# Altium PCB LimeKEY-RPCM_1v0.PcbDoc (part 7 of 8) (continued)
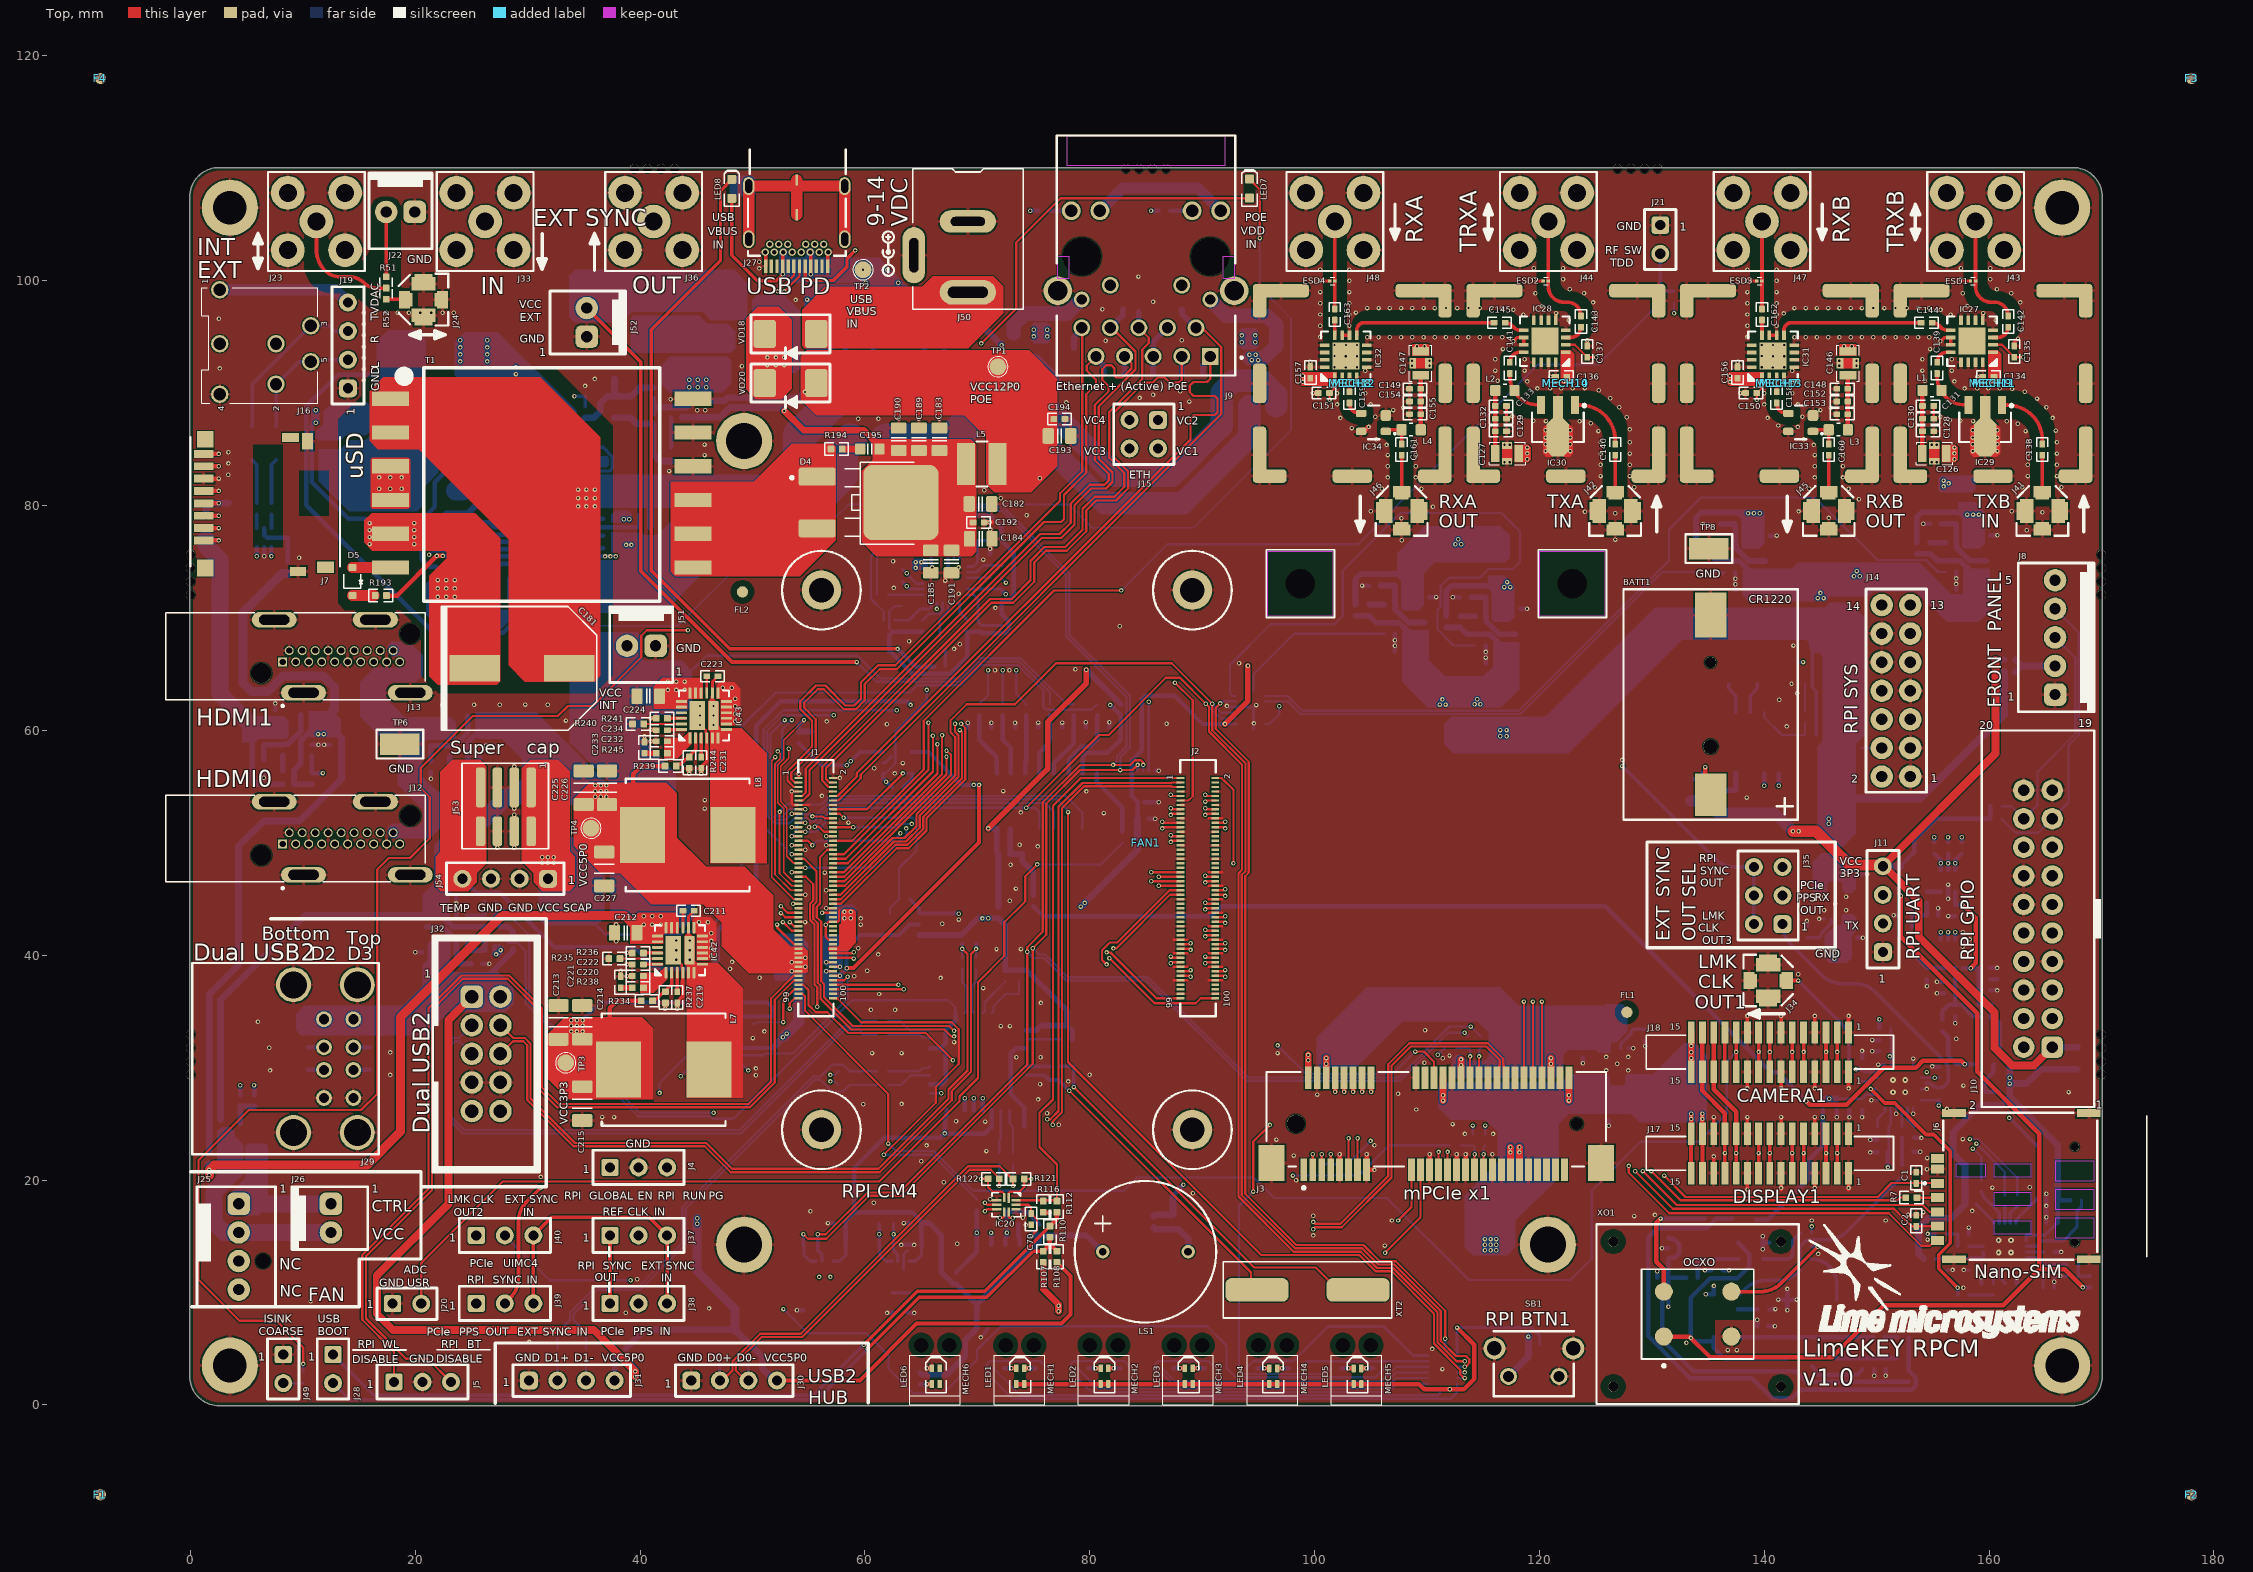
[diagram p0: Top view]
## Nets (pads, with @x,y where several pads share a name; then routed paths per layer and width w, separated by ;. In a path a pad name is that pad's centre, name@x,y a point inside that pad or via, vN(x,y) a via of type N, cw(c..) or ccw(c..) an arc to the next point about the centre after c; other vN are vias at no path point) (continued)
  Bottom w0.2: v1(73.45,65.35) 73.45,63.236 R55.1@74.351,62.335
  Bottom w0.6: R205.1@41.155,88.247 41.155,88.747 ; R206.1@41.155,89.47 41.155,88.747 ; v1(54.663,90.113) 54.15,89.6 47.8,89.6 47.525,89.325 44.73,89.325 44.153,88.747 41.155,88.747
VCC12P0_POE_DIV: C42.1 IC8.3 R55.2 R61.2 | length 5.2
  Bottom w0.4: IC8.3@74.253,56.177 74.253,57.158 74.351,57.256 C42.1@74.351,59.185 R61.2@74.351,60.235 R55.2@74.351,61.335
VCC_BARREL: J50.1 R53.1 VD18.A | length 40.5
  L4 w0.2: J50.1@69.15,98.975 70.85,98.975 73.075,96.75 73.075,77.15 70.95,75.025 v1(70.95,65.35)
  Bottom w0.2: R53.1@70.151,62.335 70.95,63.134 v1(70.95,65.35)
VCC_BARREL_DIV: C40.1 IC8.1 R53.2 R59.2 | length 5.8
  Bottom w0.4: R53.2@70.151,61.335 R59.2@70.151,60.235 C40.1@70.151,59.185 70.201,59.185 70.251,59.135 70.251,59.085 71.713,57.623 IC8.1@71.713,56.177
VCC_EXT: C218.1 J52.2 R56.1 R232.1 R233.2 VD21.K | length 68.8
  Top w0.35: J52.2@35.25,97.571 40.05,92.771 40.05,74.2 48.175,66.075 v1(59.275,66.075)
  Bottom w0.2: v1(59.275,66.075) 61.025,64.325 68.401,64.325 70.201,66.125 73.725,66.125 76.451,63.399 R56.1@76.451,62.335
VCC_EXT_DIV: C43.1 IC8.4 R56.2 R62.2 | length 5.6
  Bottom w0.4: IC8.4@75.523,56.177 75.523,58.023 76.351,58.851 76.351,59.135 76.401,59.185 C43.1@76.451,59.185 R62.2@76.451,60.235 R56.2@76.451,61.335
VCC_INT: C212.2 C216.2 C217.1 C224.2 FR14.2 IC42.16 IC42.17 IC42.18 IC42.19 IC42.20 IC43.16 IC43.17 IC43.18 IC43.19 IC43.20 J51.2 L6.2 R57.1 R67.1 R242.1 R243.1 VD22.K | length 98.9
  Top w0.2: C212.2@40.2,42.35 40.387,42.163 40.85,41.7 IC42.19@41.55,41.7 ; 42.325,63.225 42.513,63.038 42.975,62.575 IC43.19@43.675,62.575
  Top w0.25: C212.2@39.236,41.656 39.236,41.99 39.236,42.086 C212.2@39.6,42.45 ; C224.2@41.361,62.531 41.361,62.961 C224.2@41.725,63.325
  Top w0.8: v1(1.675,20.425) v1(1.675,20.9) 2.1,21.325 15.7,21.325 18.675,24.3 18.675,34.475 27.75,43.55 38.6,43.55 39.612,42.538 39.612,42.09 C212.2@39.712,41.99
  Bottom w0.2: 44.35,65.1 45.9,66.65 59.325,66.65 61.35,64.625 68.276,64.625 70.076,66.425 73.86,66.425 77.95,62.335 R57.1@78.551,62.335
  Bottom w0.8: v1(1.675,20.425) v1(1.675,20.9) R67.1@1.675,21.325
  other v1: 40.329,42.724 41.079,42.724 41.829,42.724 40.329,43.474 41.079,43.474 41.829,43.474 42.454,63.599 43.205,63.599 43.955,63.599 42.455,64.349 43.205,64.349 43.955,64.349 44.375,90.525 45.125,90.525 45.875,90.525 44.375,91.2 45.125,91.2 45.875,91.2
VCC_INT_DIV: C44.1 IC8.5 R57.2 R63.2 | length 5.9
  Bottom w0.4: IC8.5@76.793,56.177 76.793,57.068 78.551,58.826 R57.2@78.551,61.335
VCC_SCAP: J53.1 J54.1 R58.1 R242.2 R243.2 VD22.A | length 67.9
  Bottom w0.2: R242.2@35.739,44.03 35.739,43.036 36.925,41.85 43.6,41.85 43.85,42.1 45.85,42.1 49.025,45.275 49.025,60.35 52.05,63.375 64,63.375 64.65,64.025 68.525,64.025 70.325,65.825 73.601,65.825 75.85,63.576 75.85,62.088 76.103,61.835 80.151,61.835 R58.1@80.651,62.335
  other v1: 31.3,48.225 31.8,48.225 32.3,48.225 31.3,48.725 31.8,48.725 32.3,48.725
VCC_SCAP_DIV: C45.1 IC8.6 R58.2 R64.2 | length 6.7
  Bottom w0.4: IC8.6@78.063,56.177 78.12,56.235 78.12,57.445 79.2,58.525 79.991,58.525 80.551,59.085 80.551,59.135 80.601,59.185 C45.1@80.651,59.185 R58.2@80.651,61.335
VCC_USB_PD: C204.2 IC40.5 IC40.6 IC41.11 R54.1 VD19.A | length 47.9
  L3 w0.25: v1(54.85,98.325) 60.15,93.025 60.15,85.35 61.825,83.675 61.825,72.6 63.621,70.804 v1(66.4,70.804)
  L4 w0.25: v1(66.4,70.804) 66.4,67.775 69.4,64.775 71.675,64.775 v1(72.251,65.351)
  Bottom w0.25: v1(66.4,70.804) IC41.11@66.4,71.359 ; R54.1@72.251,62.335 v1(72.251,65.351)
VCC_USB_PD_DIV: C41.1 IC8.2 R54.2 R60.2 | length 5.5
  Bottom w0.4: R54.2@72.251,61.335 R60.2@72.251,60.235 C41.1@72.251,59.185 72.301,59.185 72.351,59.135 72.351,59.085 72.983,58.453 IC8.2@72.983,56.177
XO_VC: R153.1 R161.2 XO1.1 XO2.1 XO3.1 XO4.1 XO5.1 | length 104.1
  Top w0.4: XO1.1@131.075,6.075 133.35,6.075 v1(133.475,5.95) 135.175,4.25 146.05,4.25 150.65,8.85 161.275,8.85 164.475,12.05 ; v1(152.14,45.295) 152.14,41.64 158.95,34.831 158.95,29.65 164.475,24.125 164.475,12.05 ; v1(168.325,10.45) 166.725,12.05 164.475,12.05
  Bottom w0.4: XO4.1@135.525,5.65 133.775,5.65 v1(133.475,5.95) 133.475,9.55 135.2,11.275 137.625,11.275 138.65,12.3 138.65,13.45 XO5.1@137.675,14.425 ; XO4.1@135.525,6 135.525,5.025 136.385,4.165 XO2.1@142.064,4.165 ; R153.1@152.14,44.659 v1(152.14,45.295) ; v1(168.325,10.45) R161.2@168.999,10.45
pads on no net: BATT1.MECH C1.0 C2.0 C3.0 C4.0 C5.0 C6.0 C7.0 C8.0 C9.0 C10.0 C11.0 C12.0 C13.0 C14.0 C15.0 C16.0 C17.0 C18.0 C19.0 C20.0 C21.0 C22.0 C23.0 C24.0 C25.0 C26.0 C27.0 C28.0 C29.0 C30.0 C31.0 C32.0 C33.0 C34.0 C35.0 C36.0 C37.0 C38.0 C39.0 C40.0 C41.0 C42.0 C43.0 C44.0 C45.0 C46.0 C47.0 C48.0 C49.0 C50.0 C51.0 C52.0 C53.0 C54.0 C55.0 C56.0 C57.0 C58.0 C59.0 C60.0 C61.0 C62.0 C63.0 C64.0 C65.0 C66.0 C67.0 C68.0 C69.0 C70.0 C71.0 C72.0 C73.0 C74.0 C75.0 C76.0 C77.0 C78.0 C79.0 C80.0 C81.0 C82.0 C83.0 C84.0 C85.0 C86.0 C87.0 C88.0 C89.0 C90.0 C91.0 C92.0 C93.0 C94.0 C95.0 C96.0 C97.0 C98.0 C99.0 C100.0 C101.0 C102.0 C103.0 C104.0 C105.0 C106.0 C107.0 C108.0 C109.0 C110.0 C111.0 C112.0 C113.0 C114.0 C115.0 C116.0 C117.0 C118.0 C119.0 C120.0 C121.0 C122.0 C123.0 C124.0 C125.0 C128.0 C129.0 C130.0 C131.0 C132.0 C133.0 C134.0 C135.0 C136.0 C137.0 C138.0 C139.0 C140.0 C141.0 C142.0 C143.0 C144.0 C145.0 C148.0 C149.0 C150.0 C151.0 C152.0 C153.0 C154.0 C155.0 C156.0 C157.0 C158.0 C159.0 C160.0 C161.0 C162.0 C163.0 C164.0 C165.0 C166.0 C167.0 C168.0 C169.0 C170.0 C171.0 C172.0 C173.0 C174.0 C175.0 C176.0 C177.0 C178.0 C179.0 C180.0 C182.0 C183.0 C184.0 C185.0 C186.0 C187.0 C188.0 C189.0 C190.0 C191.0 C192.0 C193.0 C194.0 C195.0 C196.0 C197.0 C198.0 C199.0 C200.0 C201.0 C202.0 C203.0 C204.0 C205.0 C206.0 C207.0 C208.0 C209.0 C210.0 C211.0 C212.0 C213.0 C214.0 C215.0 C216.0 C217.0 C218.0 C219.0 C220.0 C221.0 C222.0 C223.0 C224.0 C225.0 C226.0 C227.0 C228.0 C229.0 C230.0 C231.0 C232.0 C233.0 C234.0 C235.0 C236.0 C237.0 C238.0 C239.0 D1.0 D2.0 D3.0 D4.0 D5.0 D6.0 D7.0 D8.0 D8.2 D9.0 F1.1 F2.1 F3.1 F4.1 F5.1 F6.1 F7.1 F8.1 FL1.1 FL2.1 FL3.1 FL4.1 FR1.0 FR2.0 FR3.0 FR4.0 FR5.0 FR6.0 FR7.0 FR8.0 FR9.0 FR10.0 FR11.0 FR12.0 FR13.0 FR14.0 FR15.0 FR16.0 FR17.0 IC1.0 IC3.0 IC5.0 IC6.0 IC7.0 IC9.9 IC12.1 IC12.2 IC12.3 IC12.7 IC13.1 IC13.2 IC13.3 IC13.7 IC13.PAD IC15.7 IC16.4 IC16.5 IC16.6 IC16.9 IC18.13 IC18.17 IC18.32 IC19.6 IC19.7 IC21.0 IC22.4 IC22.9 IC22.10 IC22.17 IC23.0 IC23.4 IC27.PAD IC28.PAD IC31.PAD IC32.PAD IC35.0 IC36.0 IC37.0 IC38.0 IC41.4 IC41.8 IC41.16 IC41.17 IC41.20 IC41.21 IC42.21 IC43.21 IC44.0 IC45.2 IC45.6 IC45.7 IC46.2 IC46.6 IC46.7 J1.19 J1.64 J1.68 J1.70 J1.72 J1.73 J1.76 J2.4 J2.6 J2.28 J2.30 J2.33 J2.34 J2.35 J2.36 J2.39 J2.40 J2.41 J2.42 J2.57 J2.59 J2.63 J2.65 J2.69 J2.71 J2.93 J2.94 J2.95 J2.96 J3. J3.1 J3.20 J3.45 J3.47 J3.49 J3.51 J3.MH1 J3.MH2 J6. J6.CD J7.9 J7.10 J7.11 J7.14 J9. J12. J12.14 J13. J13.14 J16.6 J16.7 J25.0 J25.3 J25.4 J27.A2 J27.A3 J27.A8 J27.A10 J27.A11 J27.B2 J27.B3 J27.B8 J27.B10 J27.B11 J32.9 J32.10 L1.0 L2.0 L3.0 L4.0 LED1.0 LED2.0 LED3.0 LED4.0 LED5.0 LED6.0 LED6.2 LED6.4 LED7.0 LED8.0 MECH1.0 MECH2.0 MECH3.0 MECH4.0 MECH5.0 MECH6.0 R1.0 R2.0 R3.0 R4.0 R5.0 R6.0 R7.0 R8.0 R9.0 R10.0 R11.0 R12.0 R13.0 R14.0 R15.0 R16.0 R17.0 R18.0 R19.0 R20.0 R21.0 R22.0 R23.0 R24.0 R25.0 R26.0 R27.0 R28.0 R29.0 R30.0 R31.0 R32.0 R33.0 R34.0 R35.0 R36.0 R37.0 R38.0 R39.0 R40.0 R41.0 R42.0 R43.0 R44.0 R45.0 R46.0 R47.0 R48.0 R49.0 R50.0 R51.0 R52.0 R53.0 R54.0 R55.0 R56.0 R57.0 R58.0 R59.0 R60.0 R61.0 R62.0 R63.0 R64.0 R65.0 R66.0 R67.0 R68.0 R69.0 R70.0 R71.0 R72.0 R73.0 R74.0 R75.0 R76.0 R77.0 R78.0 R79.0 R80.0 R81.0 R82.0 R83.0 R84.0 R85.0 R86.0 R87.0 R88.0 R89.0 R90.0 R91.0 R92.0 R93.0 R94.0 R95.0 R96.0 R97.0 R98.0 R99.0 R100.0 R101.0 R102.0 R103.0 R104.0 R105.0 R106.0 R107.0 R108.0 R109.0 R110.0 R111.0 R112.0 R113.0 R114.0 R115.0 R116.0 R117.0 R118.0 R119.0 R120.0 R121.0 R122.0 R123.0 R124.0 R125.0 R126.0 R127.0 R128.0 R129.0 R130.0 R131.0 R132.0 R133.0 R134.0 R135.0 R136.0 R137.0 R138.0 R139.0 R140.0 R141.0 R142.0 R143.0 R144.0 R145.0 R146.0 R147.0 R148.0 R149.0 R150.0 R151.0 R152.0 R153.0 R154.0 R155.0 R156.0 R157.0 R158.0 R159.0 R160.0 R161.0 R162.0 R163.0 R164.0 R165.0 R166.0 R167.0 R168.0 R169.0 R170.0 R171.0 R172.0 R173.0 R174.0 R175.0 R176.0 R177.0 R178.0 R179.0 R180.0 R181.0 R182.0 R183.0 R184.0 R185.0 R186.0 R187.0 R188.0 R189.0 R190.0 R191.0 R192.0 R193.0 R194.0 R195.0 R196.0 R197.0 R198.0 R199.0 R200.0 R201.0 R202.0 R203.0 R204.0 R205.0 R206.0 R207.0 R208.0 R209.0 R211.0 R212.0 R213.0 R214.0 R215.0 R216.0 R217.0 R218.0 R219.0 R220.0 R221.0 R222.0 R223.0 R224.0 R225.0 R226.0 R227.0 R228.0 R229.0 R230.0 R231.0 R232.0 R233.0 R234.0 R235.0 R236.0 R237.0 R238.0 R239.0 R240.0 R241.0 R242.0 R243.0 R244.0 R245.0 R246.0 R247.0 R248.0 R249.0 VD1.0 VD2.0 VD3.0 VD4.0 VD5.0 VD6.0 VD7.0 VD8.0 VD9.0 VD10.0 VD11.0 VD12.0 VD13.0 VD14.0 VD15.0 VD16.0 VD18.0 VD19.0 VD20.0 VD22.0 VT1.0 VT4.0 XO1.0 XO2.3 XO4.2 XO4.3 XO4.5 XO4.8 XO4.10
copper on no net:
  other v1: 55.925,11.375 56.925,11.375 101.775,92.3 102.765,92.29 103.775,92.3 139.775,92.3 140.765,92.29 141.775,92.3 102.775,93.29 103.775,93.28 140.775,93.29 141.775,93.28 101.775,93.3 139.775,93.3 101.775,94.28 103.775,94.28 139.775,94.28 141.775,94.28 102.785,94.29 140.785,94.29

## Polygon pours and split planes (outlines as drawn)
GND on L5 "GND_L05_P008" (solid, remove dead copper, pour order 8): -0.075,28.25 cw(c0,28.25) -0.075,28.251 -0.075,34.075 cw(c0,34.075) -0.075,34.076 -0.075,70.925 -0.075,76.75 cw(c0,76.75) -0.075,76.751 -0.075,107.46 cw(c2.54,107.46) 2.54,110.075 167.46,110.075 cw(c167.46,107.46) 170.075,107.46 170.075,76.75 cw(c170,76.75) 170.075,76.749 170.075,70.925 cw(c170,70.925) 170.075,70.925 ccw(c170,70.925) 170.075,70.926 170.075,70.925 170.075,34.076 170.075,34.075 ccw(c170,34.075) 170.075,34.076 170.075,34.075 170.075,28.25 cw(c170,28.25) 170.075,28.249 170.075,28.25 ccw(c170,28.25) 170.075,28.25 170.075,2.54 cw(c167.46,2.54) 167.46,-0.075 2.54,-0.075 cw(c2.54,2.54) -0.075,2.54
GNDE2 on L5 "GNDE2_L05_P000" (solid, remove dead copper, pour order 0): 10.625,88.825 10.625,80.4 22.175,68.85 36.125,68.85 38.25,70.975 38.25,84.55 27,95.8 17.45,95.8 16.25,94.6 16.25,90.25 15.15,89.15 10.95,89.15
GND on L4 "GND_L04_P007" (solid, remove dead copper, pour order 7): -0.075,28.25 cw(c0,28.25) -0.075,28.251 -0.075,34.075 cw(c0,34.075) -0.075,34.076 -0.075,70.925 -0.075,76.75 cw(c0,76.75) -0.075,76.751 -0.075,107.46 cw(c2.54,107.46) 2.54,110.075 167.46,110.075 cw(c167.46,107.46) 170.075,107.46 170.075,76.75 cw(c170,76.75) 170.075,76.749 170.075,70.925 cw(c170,70.925) 170.075,70.925 ccw(c170,70.925) 170.075,70.926 170.075,70.925 170.075,34.076 170.075,34.075 ccw(c170,34.075) 170.075,34.076 170.075,34.075 170.075,28.25 cw(c170,28.25) 170.075,28.249 170.075,28.25 ccw(c170,28.25) 170.075,28.25 170.075,2.54 cw(c167.46,2.54) 167.46,-0.075 2.54,-0.075 cw(c2.54,2.54) -0.075,2.54
VCC5P0 on L4 "VCC5P0_L04_P004" (solid, remove dead copper, pour order 4): 35.675,55.425 37.85,57.6 47.1,57.6 54.55,65.05 105.85,65.05 109.525,61.375 116.15,61.375 117.325,60.2 117.325,57.1 116.2,55.975 65.35,55.975 63.225,58.1 57.6,58.1 50.875,51.375 38,51.375 35.675,53.7
VCC_INT on L4 "VCC_INT_L04_P002" (solid, remove dead copper, pour order 2): 45.75,62.75 49.05,66.05 49.05,80.45 44.75,84.75 44.75,88.75 46.25,90.25 46.25,91.5 45,92.75 39.5,92.75 38,91.25 38,80.775 42.5,76.275 42.5,66.75 41.75,66 41.75,63.25 42.25,62.75
GND on L2 "GND_L02_P010" (solid, remove dead copper, pour order 10): -0.075,28.25 cw(c0,28.25) -0.075,28.251 -0.075,34.075 cw(c0,34.075) -0.075,34.076 -0.075,70.925 -0.075,76.75 cw(c0,76.75) -0.075,76.751 -0.075,107.46 cw(c2.54,107.46) 2.54,110.075 167.46,110.075 cw(c167.46,107.46) 170.075,107.46 170.075,76.75 cw(c170,76.75) 170.075,76.749 170.075,70.925 cw(c170,70.925) 170.075,70.925 ccw(c170,70.925) 170.075,70.926 170.075,70.925 170.075,34.076 170.075,34.075 ccw(c170,34.075) 170.075,34.076 170.075,34.075 170.075,28.25 cw(c170,28.25) 170.075,28.249 170.075,28.25 ccw(c170,28.25) 170.075,28.25 170.075,2.54 cw(c167.46,2.54) 167.46,-0.075 2.54,-0.075 cw(c2.54,2.54) -0.075,2.54
GND on Top "GND_L01_P011" (solid, remove dead copper, pour order 11): -0.075,28.25 cw(c0,28.25) -0.075,28.251 -0.075,34.075 cw(c0,34.075) -0.075,34.076 -0.075,70.925 -0.075,76.75 cw(c0,76.75) -0.075,76.751 -0.075,107.46 cw(c2.54,107.46) 2.54,110.075 167.46,110.075 cw(c167.46,107.46) 170.075,107.46 170.075,76.75 cw(c170,76.75) 170.075,76.749 170.075,70.925 cw(c170,70.925) 170.075,70.925 ccw(c170,70.925) 170.075,70.926 170.075,70.925 170.075,34.076 170.075,34.075 ccw(c170,34.075) 170.075,34.076 170.075,34.075 170.075,28.25 cw(c170,28.25) 170.075,28.249 170.075,28.25 ccw(c170,28.25) 170.075,28.25 170.075,2.54 cw(c167.46,2.54) 167.46,-0.075 2.54,-0.075 cw(c2.54,2.54) -0.075,2.54
GND on L3 "GND_L03_P009" (solid, remove dead copper, pour order 9): -0.075,28.25 cw(c0,28.25) -0.075,28.251 -0.075,34.075 cw(c0,34.075) -0.075,34.076 -0.075,70.925 -0.075,76.75 cw(c0,76.75) -0.075,76.751 -0.075,107.46 cw(c2.54,107.46) 2.54,110.075 167.46,110.075 cw(c167.46,107.46) 170.075,107.46 170.075,76.75 cw(c170,76.75) 170.075,76.749 170.075,70.925 cw(c170,70.925) 170.075,70.925 ccw(c170,70.925) 170.075,70.926 170.075,70.925 170.075,34.076 170.075,34.075 ccw(c170,34.075) 170.075,34.076 170.075,34.075 170.075,28.25 cw(c170,28.25) 170.075,28.249 170.075,28.25 ccw(c170,28.25) 170.075,28.25 170.075,2.54 cw(c167.46,2.54) 167.46,-0.075 2.54,-0.075 cw(c2.54,2.54) -0.075,2.54
GND on Bottom "GND_L06_P006" (solid, remove dead copper, pour order 6): -0.075,28.25 cw(c0,28.25) -0.075,28.251 -0.075,34.075 cw(c0,34.075) -0.075,34.076 -0.075,70.925 -0.075,76.75 cw(c0,76.75) -0.075,76.751 -0.075,107.46 cw(c2.54,107.46) 2.54,110.075 167.46,110.075 cw(c167.46,107.46) 170.075,107.46 170.075,76.75 cw(c170,76.75) 170.075,76.749 170.075,70.925 cw(c170,70.925) 170.075,70.925 ccw(c170,70.925) 170.075,70.926 170.075,70.925 170.075,34.076 170.075,34.075 ccw(c170,34.075) 170.075,34.076 170.075,34.075 170.075,28.25 cw(c170,28.25) 170.075,28.249 170.075,28.25 ccw(c170,28.25) 170.075,28.25 170.075,2.54 cw(c167.46,2.54) 167.46,-0.075 2.54,-0.075 cw(c2.54,2.54) -0.075,2.54

## Other copper
Top:
  pour cut-out: 10.125,104.4 10.125,101.415 ccw(c12.665,101.415) 12.665,98.875 14,98.875 cw(c14,97.668) 14.854,98.521 15.281,98.094 ccw(c17.077,99.89) 17.077,97.35 20.225,97.35 20.225,99.325 18.975,99.325 cw(c18.975,99.6) 18.7,99.6 18.7,106.45 ccw(c17.675,106.45) 17.675,107.475 17.1,107.475 ccw(c17.1,106.45) 16.075,106.45 16.075,103.475 cw(c13.825,103.475) 13.825,101.225 cw(c13.825,102.8) 12.25,102.8 12.25,104.4
  pour cut-out: 140.625,92.075 141.575,92.075 141.575,90.975 142.3,90.975 142.3,89.475 ccw(c142.975,89.475) 142.975,88.8 cw(c142.975,88.575) 143.2,88.575 143.2,87.575 cw(c142.825,87.575) 142.825,87.2 142.025,87.2 cw(c142.025,89.025) 140.2,89.025 140.2,90.107 cw(c140.968,90.107) 140.425,90.65 140.448,90.673 ccw(c140.021,91.1) 140.625,91.1
  pour cut-out: 141.275,94.5 141.275,95.875 cw(c142.775,95.875) 142.775,97.375 155.076,97.375 cw(c155.076,96.351) 155.8,97.075 ccw(c156.524,97.799) 156.524,96.775 157.275,96.775 157.275,95.125 156.175,95.125 156.175,95.05 cw(c155.95,95.05) 155.95,94.825 155.562,94.825 cw(c155.562,95.337) 155.2,94.975 ccw(c154.717,94.492) 154.717,95.175 142.675,95.175 ccw(c142.675,94.975) 142.475,94.975 142.475,94.5
  pour cut-out: 143.575,87.525 146.325,87.525 cw(c146.325,87.075) 146.775,87.075 146.775,79.95 144.7,79.95 144.7,84.975 ccw(c143.575,84.975) 143.575,86.1
  pour cut-out: 157.75,105.3 157.75,99.15 ccw(c159.575,99.15) 159.575,97.325 160,97.325 cw(c160,96.525) 160.8,96.525 160.8,95.475 cw(c160.75,95.475) 160.75,95.425 159.675,95.425 159.675,94.475 161.3,94.475 ccw(c161.3,95.975) 162.8,95.975 162.8,97.025 ccw(c160.775,97.025) 160.775,99.05 cw(c160.775,99.975) 159.85,99.975 159.85,105.3
  pour cut-out: 157.275,94.125 157.275,93.225 156.6,93.225 ccw(c156.6,93) 156.375,93 156.375,91.75 ccw(c157.9,91.75) 157.9,90.225 159.175,90.225 159.175,87.75 157.065,87.75 cw(c157.065,90.29) 154.525,90.29 154.525,93.025 cw(c155.625,93.025) 155.625,94.125
  pour cut-out: 160.125,90.225 162.273,90.225 cw(c162.273,87.685) 164.069,89.481 165.081,88.469 cw(c163.285,86.673) 165.825,86.673 165.825,79.925 163.65,79.925 163.65,85.95 ccw(c161.9,85.95) 161.9,87.7 160.125,87.7
  pour cut-out: 122.125,90.225 124.273,90.225 cw(c124.273,87.685) 126.069,89.481 127.081,88.469 cw(c125.285,86.673) 127.825,86.673 127.825,79.925 125.65,79.925 125.65,85.95 ccw(c123.9,85.95) 123.9,87.7 122.125,87.7
  pour cut-out: 119.275,94.125 119.275,93.225 118.6,93.225 ccw(c118.6,93) 118.375,93 118.375,91.75 ccw(c119.9,91.75) 119.9,90.225 121.175,90.225 121.175,87.75 119.065,87.75 cw(c119.065,90.29) 116.525,90.29 116.525,93.025 cw(c117.625,93.025) 117.625,94.125
  pour cut-out: 119.75,105.3 119.75,99.15 ccw(c121.575,99.15) 121.575,97.325 122,97.325 cw(c122,96.525) 122.8,96.525 122.8,95.475 cw(c122.75,95.475) 122.75,95.425 121.675,95.425 121.675,94.475 123.3,94.475 ccw(c123.3,95.975) 124.8,95.975 124.8,97.025 ccw(c122.775,97.025) 122.775,99.05 cw(c122.775,99.975) 121.85,99.975 121.85,105.3
  pour cut-out: 105.575,87.525 108.325,87.525 cw(c108.325,87.075) 108.775,87.075 108.775,79.95 106.7,79.95 106.7,84.975 ccw(c105.575,84.975) 105.575,86.1
  pour cut-out: 103.275,94.5 103.275,95.875 cw(c104.775,95.875) 104.775,97.375 117.076,97.375 cw(c117.076,96.351) 117.8,97.075 ccw(c118.524,97.799) 118.524,96.775 119.275,96.775 119.275,95.125 118.175,95.125 118.175,95.05 cw(c117.95,95.05) 117.95,94.825 117.562,94.825 cw(c117.562,95.337) 117.2,94.975 ccw(c116.717,94.492) 116.717,95.175 104.675,95.175 ccw(c104.675,94.975) 104.475,94.975 104.475,94.5
  pour cut-out: 102.625,92.075 103.575,92.075 103.575,90.975 104.3,90.975 104.3,89.475 ccw(c104.975,89.475) 104.975,88.8 cw(c104.975,88.575) 105.2,88.575 105.2,87.575 cw(c104.825,87.575) 104.825,87.2 104.025,87.2 cw(c104.025,89.025) 102.2,89.025 102.2,90.107 cw(c102.968,90.107) 102.425,90.65 102.448,90.673 ccw(c102.021,91.1) 102.625,91.1
  region net VCC3P3: 57.725,42.7 57.925,42.9 57.925,40.7 57.825,40.6 57.725,40.7
  pour cut-out: 16.55,92.25 32.425,92.25 37.575,87.1 37.575,64.925 35.95,63.3 22.07,63.3 20.524,64.845 20.524,68.859 18.678,70.706 13.719,70.706 13.125,71.3 13.125,87.675 15.225,89.775 15.225,90.925
  region net NetR232_2: 50.3,89.475 49.425,90.35 49.425,96.65 50.45,97.675 52.325,97.675 53.475,96.525 53.475,90.375 52.575,89.475
  pour cut-out: 138.75,105.275 138.75,94.5 140.275,94.5 140.275,95.6 140.85,95.6 140.85,105.275
  pour cut-out: 100.75,105.275 100.75,94.5 102.275,94.5 102.275,95.6 102.85,95.6 102.85,105.275
  region net VCC3P3: 56.8,40.775 57.575,40.775 57.875,41.075 57.875,43.85 58.125,44.1 58.95,44.1 59.2,43.85 59.2,41.125 58.45,40.375 56.8,40.375 56.75,40.425 56.75,40.725
  region: 56.8,40.775
  region net VCC5P0: 35.75,48.05 36.5,47.3 38.225,47.3 41,44.525 45.625,44.525 47.25,42.9 47.25,40.8 49.675,38.375 54.725,38.375 54.9,38.55 54.9,40.4 54.55,40.75 53.375,40.75 51.825,42.3 51.825,45.35 49.325,47.85 45.875,47.85 42.825,50.9 36.875,50.9 35.75,49.775
  region net SCAP_TEMP: 26.325,48.15 25.475,47.3 25.475,46.475 24.7,45.7 22.275,45.7 21.8,46.175 21.8,48.775 22.225,49.2 22.225,56.3 23.3,57.375 25.775,57.375 26.325,56.825
  region net VCC_SCAP: 29.475,48.35 30.525,47.3 30.525,46.475 31.3,45.7 33.725,45.7 34.2,46.175 34.2,48.775 33.725,49.25 33.725,56.35 32.7,57.375 30.225,57.375 29.475,56.625
  region net VCC5P0_TXA_PA: 117.8,85.4 119,85.4 119.225,85.175 119.225,84.1 119,83.875 117.8,83.875
  region net VCC5P0_TXB_PA: 155.8,85.4 157,85.4 157.225,85.175 157.225,84.1 157,83.875 155.8,83.875
  region net GNDE2: 22,64.05 21.25,64.8 21.25,73.775 22.8,75.325 22.8,75.85 22.65,76 16.175,76 15.45,76.725 15.45,78.675 16.1,79.325 25.325,79.325 27.55,77.1 27.55,64.375 27.225,64.05
  region net NetD3_A: 19.375,84.275 19.525,84.125 19.525,79.875 19.375,79.725 16.15,79.725 16.025,79.85 16.025,84.125 16.175,84.275
  region net VCC_BARREL: 56.425,99.45 65.1,99.45 66.05,100.4 71.4,100.4 72.3,99.5 72.3,97.1 69.2,94 54.6,94 54.4,94.2 54.4,97.425
  region net VCC12P0_POE: 70.8,81.9 71.5,81.2 74.8,81.2 77.1,83.5 77.1,91.3 74.6,93.8 54.8,93.8 54.3,93.3 54.3,89.425 55.675,88.05 68.85,88.05 70.8,86.1
  region net NetC182_1: 60.7,84.1 59.7,83.1 59.7,76.8 61,75.5 69.5,75.5 69.9,75.9 69.9,85.4 69.4,85.9 67.3,85.9 61.1,85.9 60.7,85.5
  region net NetD4_1: 42.7,82.1 50.1,82.1 53.5,85.5 57.15,85.5 57.4,85.25 57.4,76.9 54.2,73.7 43.1,73.7 42.7,74.1
  region: 29.225,66.75
  region net POE_IN+: 29.75,64.35 35.95,64.35 36.45,64.85 36.45,86.075 31.125,91.4 17.15,91.4 15.925,90.175 15.925,85.75 16.65,85.025 20.3,85.025 28.3,77.025 28.3,65.8
  region net VCC5P0_RXB_LNA: 146.675,93.325 146.675,94.3 146.75,94.375 147.44,94.375 147.44,93.325
  region net VCC5P0_RXB_LNA: 148.205,93.325 148.205,94.3 148.13,94.375 147.44,94.375 147.44,93.325
  region net VCC5P0_RFA: 101.975,91.85 101.975,91 101.65,90.675 98.875,90.675 98.725,90.825 98.725,91.725 98.85,91.85 99.3,91.85
  region net VCC5P0_RXA_LNA: 108.675,93.325 108.675,94.3 108.75,94.375 109.44,94.375 109.44,93.325
  region net VCC5P0_RXA_LNA: 110.205,93.325 110.205,94.3 110.13,94.375 109.44,94.375 109.44,93.325
  region net GND: 121.175,84.35 120.6,84.35 120.325,84.625 120.325,86.925 120.65,87.25 121.175,86.725
  region net GND: 122.125,84.35 122.7,84.35 122.975,84.625 122.975,86.925 122.65,87.25 122.125,86.725
  region net GND: 160.125,84.35 160.7,84.35 160.975,84.625 160.975,86.925 160.65,87.25 160.125,86.725
  region net GND: 159.175,84.35 158.6,84.35 158.325,84.625 158.325,86.925 158.65,87.25 159.175,86.725
  region net VCC5P0_RFB: 139.975,91.85 139.975,91 139.65,90.675 136.875,90.675 136.725,90.825 136.725,91.725 136.85,91.85 137.3,91.85
  region net VCC5P0_RFA: 121.915,93.825 122.765,93.825 123.09,93.5 123.09,90.965 122.95,90.825 122.05,90.825 121.915,90.96 121.915,91.15
  region net VCC5P0_RFB: 159.915,93.825 160.765,93.825 161.09,93.5 161.09,90.965 160.95,90.825 160.05,90.825 159.915,90.96 159.915,91.15
  region net NetC223_2: 46.25,59.875 46.075,60.05 46.075,62.6 46.3,62.825 46.3,63.05 46.55,63.05 46.55,62.825 46.975,62.4 46.975,60.4 47.175,60.2 49.025,60.2 51.275,57.95 51.275,48.2 46.25,48.2
  region net NetC232_1: 42.125,59.325 43.8,59.325 44.3,59.825 44.55,59.825 44.55,58.75 43.325,57.525 42.125,57.525
  region net GND: 46.8,62.812 46.8,64.037 47.025,64.262 48.35,64.262 48.9,63.712 48.9,60.887 48.45,60.437 47.175,60.437 47.175,62.762 47.125,62.812
  region net VCC_INT: 41.225,63.937 41.225,61.915 44.175,61.915 44.175,62.7 44.3,62.825 45.575,62.825 45.575,64.4 45.3,64.675 41.963,64.675
  region net VCC5P0: 35.75,48.05 34.075,49.725 34.075,53.925 35.5,55.35 42.325,55.35 43.275,54.4 43.275,48.05
  region net GND: 44.675,41.937 44.675,43.162 44.9,43.387 46.225,43.387 46.775,42.837 46.775,40.012 46.325,39.562 45.05,39.562 45.05,41.887 45,41.937
  region net NetC220_1: 40,38.45 41.675,38.45 42.175,38.95 42.425,38.95 42.425,37.875 41.2,36.65 40,36.65
  region net NetC211_2: 44.125,39 43.95,39.175 43.95,41.725 44.175,41.95 44.175,42.175 44.425,42.175 44.425,41.95 44.85,41.525 44.85,39.525 45.05,39.325 46.9,39.325 49.15,37.075 49.15,27.325 44.125,27.325
  region net VCC_INT: 39.1,43.062 39.1,41.04 42.05,41.04 42.05,41.825 42.175,41.95 43.45,41.95 43.45,43.525 43.175,43.8 39.838,43.8
  region net VCC3P3: 33.625,27.175 31.825,28.975 31.825,33.025 33.275,34.475 40.2,34.475 41.15,33.525 41.15,27.175
L2:
  pour cut-out: 157.8,90.225 158.875,90.225 158.875,87.75 157.8,87.75
  pour cut-out: 161.5,90.225 160.425,90.225 160.425,87.75 161.5,87.75
  pour cut-out: 123.5,90.225 122.425,90.225 122.425,87.75 123.5,87.75
  pour cut-out: 119.8,90.225 120.875,90.225 120.875,87.75 119.8,87.75
  pour cut-out: 18.525,97.285 18.525,99.36 20.075,99.36 20.075,97.285
  pour cut-out: 163.7,81.725 165.775,81.725 165.775,80.175 163.7,80.175
  pour cut-out: 144.7,81.725 146.775,81.725 146.775,80.175 144.7,80.175
  pour cut-out: 125.7,81.725 127.775,81.725 127.775,80.175 125.7,80.175
  pour cut-out: 106.7,81.725 108.775,81.725 108.775,80.175 106.7,80.175
L3:
  region net ETH_VC2: 95,94.4 94.8,94.2 93.525,94.2 93.325,94.4 93.325,96.11 93.725,96.51 94.55,96.51 95,96.06
  region net ETH_VC3: 74.75,94.925 74.975,94.7 76.15,94.7 76.45,95 76.425,95.025 76.425,96.425 76.025,96.825 75.2,96.825 74.75,96.375
  region net VCC3P3: 99.75,30.375 100.675,31.3 101.625,31.3 103.725,29.2 106.475,29.2 109.075,26.6 111.425,26.6 111.7,26.875 111.7,28.075 105.7,34.075 100.1,34.075 98.65,32.625 98.65,30.625 98.9,30.375
  region net VCC5P0_RXA_LNA: 111.975,94.375 112.55,93.8 111.975,93.225 109.325,93.225 108.775,93.775 108.775,94.175 108.975,94.375
  region net VCC5P0_RXA_LNA: 111.5,92.05 110.25,93.3 110.25,93.575 110.475,93.8 112.55,93.8 112.55,92.9 111.7,92.05
  region net VCC5P0_RXB_LNA: 149.5,92.05 148.25,93.3 148.25,93.575 148.475,93.8 150.55,93.8 150.55,92.9 149.7,92.05
  region net VCC5P0_RXB_LNA: 149.975,94.375 150.55,93.8 149.975,93.225 147.325,93.225 146.775,93.775 146.775,94.175 146.975,94.375
  text "A" at 1.45,7.65 h0.7
  text "V" at 2.45,7.65 h0.7
  text "D" at 3.55,7.65 h0.7
  text "R" at 4.1,7.65 h0.7
  text "L" at 1.925,7.075 h0.7
L4:
  region net USB_VBUS_IN: 55.5,102.25 55.9,101.85 61.625,101.85 63.2,100.275 63.2,98.05 62.95,97.8 61.425,97.8 59.375,99.85 56.025,99.85 55.5,100.375
  region net GNDE1: 39.175,79.025 39.725,78.475 39.725,76.425 39.425,76.125 38.575,76.125 38.125,76.575 38.125,78.775 38.375,79.025
  region net USB_VBUS_IN: 52.575,102.875 52.35,102.65 52.35,101.5 51.975,101.125 52.775,100.325 55.35,100.325 55.85,100.825 55.85,101.275 55.5,101.625 55.5,102.675 55.275,102.9 54.975,102.9 54.75,102.675 54.75,102.35 54.4,102 53.4,102 53.1,102.3 53.1,102.65 52.875,102.875